# Altium PCB DM1098EMB.PcbDoc (part 3 of 3)
Units mm, origin at the board's own origin, x right, y up, seen from the top; angles counter-clockwise.
Board outline 60 x 40 mm, 4 copper layers (Top Copper, Signal Layer 1, Layer 1, Bottom Layer), stack 1.602 mm thick; 110 components, 113 nets, 514 pads, 381 vias.
Unrouted connection lines stored in the file: 3.
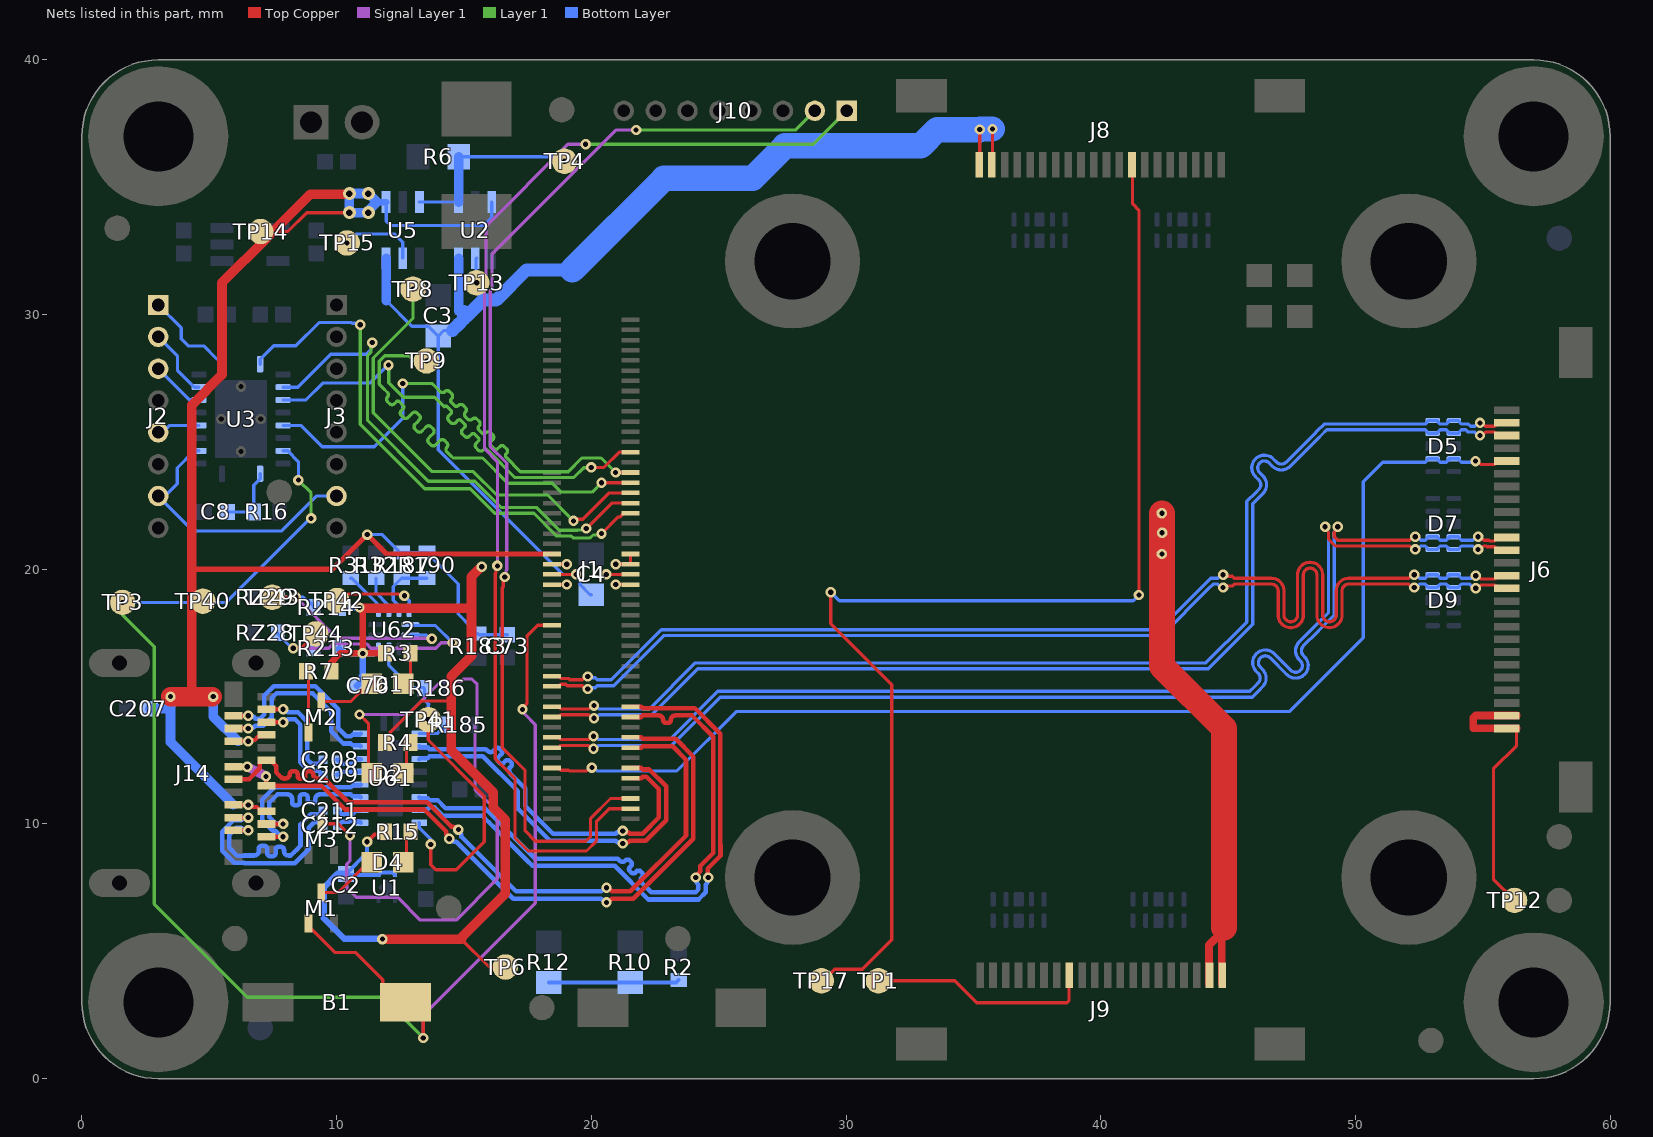
[diagram p5: the nets of this part, all layers, seen from the top]

## Via types
v1: diameter 0.406, hole 0.203, Top Copper to Bottom Layer, tented both sides, 359 vias
v2: diameter 0.508, hole 0.254, Top Copper to Bottom Layer, 18 vias
v3: diameter 0.508, hole 0.254, Top Copper to Bottom Layer, tented both sides, 4 vias

## Nets (pads, with @x,y where several pads share a name; then routed paths per layer and width w, separated by ;. In a path a pad name is that pad's centre, name@x,y a point inside that pad or via, vN(x,y) a via of type N, cw(c..) or ccw(c..) an arc to the next point about the centre after c; other vN are vias at no path point) (continued)
MIPI_D0_P: D5.4 D5.7 J1.11 J6.22 | length 46.7
  Top Copper w0.127: J1.11@18.46,12.2 18.72,12.2 18.806,12.114 19.108,12.114 19.142,12.08 19.814,12.08 19.948,12.213 v1(20.023,12.213) ; v1(54.713,24.248) 54.788,24.248 54.922,24.114 55.464,24.114 55.6,24.25 J6.22@55.95,24.25
  Bottom Layer w0.127: v1(20.023,12.213) 20.099,12.213 20.232,12.08 23.35,12.08 25.683,14.413 47.403,14.413 48.415,15.425 50.13,17.14 50.31,17.32 50.31,23.438 51.074,24.202 52.739,24.202 52.813,24.277 52.813,24.302 52.85,24.338 D5.7@53.032,24.338 53.215,24.338 53.252,24.302 53.252,24.277 53.326,24.202 53.574,24.202 53.648,24.277 53.648,24.302 53.685,24.338 D5.4@53.867,24.338 54.05,24.338 54.087,24.302 54.087,24.277 54.161,24.202 54.668,24.202 v1(54.713,24.248)
MIPI_D1_N: D7.4 D7.7 J1.15 J6.16 | length 46.8
  Top Copper w0.127: J1.15@18.46,13 18.72,13 18.806,13.086 19.879,13.086 20.013,12.952 v1(20.088,12.952) ; v1(49.305,21.673) 49.305,21.598 49.172,21.464 49.172,21.279 49.308,21.143 52.139,21.143 52.272,21.276 v1(52.348,21.276) ; v1(54.817,21.276) 54.893,21.276 55.027,21.142 55.231,21.142 55.259,21.114 55.464,21.114 55.6,21.25 J6.16@55.95,21.25
  Bottom Layer w0.127: v1(20.088,12.952) 20.164,12.952 20.297,13.086 23.167,13.086 25.06,14.979 45.946,14.979 46.22,15.253 46.345,15.378 ccw(c45.996,15.728) 46.345,16.078 46.274,16.149 cw(c46.461,16.337) 46.273,16.525 cw(c46.461,16.337) 46.649,16.524 47.304,15.87 ccw(c47.653,16.219) 48.002,15.869 ; 47.957,16.614 cw(c48.144,16.802) 47.957,16.991 48.502,17.536 ; 47.957,16.614 48.036,16.535 48.036,16.532 cw(c47.653,16.219) 48.003,15.871 ; 48.503,17.536 48.629,17.662 49.172,18.205 49.172,21.464 49.305,21.598 v1(49.305,21.673) ; v1(52.348,21.276) 52.424,21.276 52.557,21.143 52.739,21.143 52.813,21.217 52.813,21.242 52.85,21.279 D7.7@53.032,21.279 53.215,21.279 53.252,21.242 53.252,21.217 53.326,21.143 53.574,21.143 53.648,21.217 53.648,21.242 53.685,21.279 D7.4@53.867,21.279 54.05,21.279 54.087,21.242 54.087,21.217 54.161,21.143 54.329,21.143 54.608,21.143 54.742,21.276 v1(54.817,21.276)
MIPI_D1_P: D7.5 D7.6 J1.17 J6.15 | length 46.8
  Top Copper w0.127: J1.17@18.46,13.4 18.72,13.4 18.806,13.314 19.879,13.314 20.013,13.448 v1(20.088,13.448) ; v1(48.81,21.673) 48.81,21.598 48.943,21.464 48.943,21.185 49.214,20.914 52.139,20.914 52.272,20.781 v1(52.348,20.781) ; v1(54.817,20.781) 54.893,20.781 55.026,20.914 55.137,20.914 55.165,20.886 55.464,20.886 55.6,20.75 J6.15@55.95,20.75
  Bottom Layer w0.127: v1(20.088,13.448) 20.164,13.448 20.297,13.314 23.072,13.314 24.965,15.208 45.851,15.208 46.058,15.415 46.183,15.54 ; 46.111,16.686 ccw(c46.461,16.337) 46.112,15.988 46.183,15.916 cw(c45.996,15.728) 46.184,15.54 ; 46.112,16.688 cw(c46.461,16.337) 46.773,16.72 46.777,16.72 47.465,16.032 ccw(c47.653,16.219) 47.841,16.032 ccw(c47.653,16.219) 47.84,16.408 ; 47.84,16.408 47.796,16.452 cw(c48.144,16.802) 47.796,17.152 48.341,17.697 ; 48.341,17.698 48.467,17.823 48.943,18.3 48.943,21.464 48.81,21.598 v1(48.81,21.673) ; v1(52.348,20.781) 52.424,20.781 52.557,20.914 52.739,20.914 52.813,20.84 52.813,20.815 52.85,20.779 D7.6@53.032,20.779 53.215,20.779 53.252,20.815 53.252,20.84 53.326,20.914 53.574,20.914 53.648,20.84 53.648,20.815 53.685,20.779 D7.5@53.867,20.779 54.05,20.779 54.087,20.815 54.087,20.84 54.161,20.914 54.424,20.914 54.608,20.914 54.742,20.781 v1(54.817,20.781)
MIPI_D2_N: D5.2 D5.9 J1.21 J6.24 | length 46.7
  Top Copper w0.127: J1.21@18.46,14.2 18.72,14.2 18.806,14.286 19.898,14.286 v1@20.031,14.152 ; v1(54.893,25.252) 54.969,25.252 55.102,25.386 55.464,25.386 55.6,25.25 J6.24@55.95,25.25
  Bottom Layer w0.127: v1(20.106,14.151) 20.183,14.152 20.315,14.285 22.371,14.285 24.18,16.094 44.225,16.094 45.965,17.834 45.965,22.57 46.241,22.846 46.366,22.971 ccw(c46.017,23.321) 46.366,23.671 46.239,23.797 ; 46.239,23.798 cw(c46.426,23.986) 46.239,24.173 cw(c46.426,23.986) 46.615,24.173 46.741,24.046 ccw(c47.091,24.395) 47.441,24.046 48.541,25.146 ; 48.542,25.147 48.667,25.272 48.869,25.474 52.739,25.474 52.813,25.399 52.813,25.375 52.85,25.338 D5.9@53.032,25.338 53.215,25.338 53.252,25.375 53.252,25.399 53.326,25.474 53.574,25.474 53.648,25.399 53.648,25.375 53.685,25.338 D5.2@53.867,25.338 54.05,25.338 54.087,25.375 54.087,25.399 54.161,25.474 54.341,25.474 54.429,25.386 54.684,25.386 54.818,25.252 v1(54.893,25.252)
MIPI_D2_P: D5.1 D5.10 J1.23 J6.25 | length 46.8
  Top Copper w0.127: J1.23@18.46,14.6 18.72,14.6 18.806,14.514 19.898,14.514 20.031,14.648 v1(20.107,14.648) ; v1(54.893,25.748) 54.969,25.748 55.102,25.614 55.464,25.614 55.6,25.75 J6.25@55.95,25.75
  Bottom Layer w0.127: v1(20.107,14.648) 20.182,14.648 20.317,14.513 22.277,14.513 24.086,16.323 44.13,16.323 45.736,17.929 45.736,22.665 46.079,23.007 46.204,23.132 ; 46.076,24.334 ccw(c46.426,23.986) 46.077,23.636 46.204,23.509 ; 46.078,24.336 cw(c46.426,23.986) 46.739,24.368 46.742,24.368 46.903,24.208 ; 46.204,23.509 cw(c46.017,23.321) 46.205,23.133 ; 46.903,24.208 ccw(c47.091,24.395) 47.279,24.208 48.379,25.308 48.505,25.434 48.774,25.702 52.739,25.702 52.813,25.777 52.813,25.802 52.85,25.838 D5.10@53.032,25.838 53.215,25.838 53.252,25.802 53.252,25.777 53.326,25.702 53.574,25.702 53.648,25.777 53.648,25.802 53.685,25.838 D5.1@53.867,25.838 54.05,25.838 54.087,25.802 54.087,25.777 54.161,25.702 54.435,25.702 54.523,25.614 54.684,25.614 54.818,25.748 v1(54.893,25.748)
MIPI_D3_N: D9.2 D9.9 J1.27 J6.12 | length 46.8
  Top Copper w0.127: J1.27@18.46,15.4 18.72,15.4 18.806,15.486 19.001,15.486 19.055,15.431 19.649,15.431 19.783,15.297 v1(19.858,15.297) ; v1(44.804,19.287) 44.858,19.341 45.167,19.341 45.247,19.421 45.748,19.421 46.702,19.421 cw(c46.702,19.155) 46.967,19.155 46.967,18.201 ccw(c47.461,18.201) 47.461,17.707 ccw(c47.461,18.201) 47.955,18.201 47.955,19.783 cw(c48.221,19.783) 48.221,20.048 cw(c48.221,19.783) 48.486,19.783 48.486,18.201 ccw(c48.981,18.201) 48.981,17.707 ccw(c48.981,18.201) 49.475,18.201 49.475,19.155 cw(c49.74,19.155) 49.74,19.421 49.918,19.421 52.098,19.421 52.231,19.287 v1(52.307,19.287) ; v1(54.727,19.252) 54.803,19.252 54.936,19.386 55.464,19.386 55.6,19.25 J6.12@55.95,19.25
  Bottom Layer w0.127: v1(19.858,15.297) 19.912,15.351 20.151,15.351 20.231,15.431 20.881,15.431 22.848,17.398 42.393,17.398 44.248,19.253 44.248,19.258 44.411,19.421 44.595,19.421 44.729,19.287 v1(44.804,19.287) ; v1(52.307,19.287) 52.383,19.287 52.516,19.421 52.739,19.421 52.813,19.346 52.813,19.321 52.85,19.285 D9.9@53.032,19.285 ; D9.9@53.084,19.285 53.215,19.285 53.252,19.321 53.252,19.346 53.326,19.421 53.574,19.421 53.648,19.346 53.648,19.321 53.685,19.285 D9.2@53.867,19.285 54.05,19.285 54.087,19.321 54.087,19.346 54.161,19.421 54.483,19.421 54.652,19.252 v1(54.727,19.252)
MIPI_D3_P: D9.1 D9.10 J1.29 J6.13 | length 46.7
  Top Copper w0.127: J1.29@18.46,15.8 18.72,15.8 18.806,15.714 19.095,15.714 19.15,15.659 19.649,15.659 19.783,15.793 v1(19.858,15.793) ; v1(44.804,19.783) 44.858,19.729 45.167,19.729 45.247,19.649 45.748,19.649 46.702,19.649 cw(c46.702,19.155) 47.196,19.155 47.196,18.201 ccw(c47.461,18.201) 47.461,17.936 ccw(c47.461,18.201) 47.727,18.201 47.727,19.783 cw(c48.221,19.783) 48.221,20.277 cw(c48.221,19.783) 48.715,19.783 48.715,18.201 ccw(c48.981,18.201) 48.981,17.936 ccw(c48.981,18.201) 49.246,18.201 49.246,19.155 cw(c49.74,19.155) 49.74,19.649 49.918,19.649 52.098,19.649 52.231,19.783 v1(52.307,19.783) ; v1(54.727,19.748) 54.803,19.748 54.936,19.614 55.464,19.614 55.6,19.75 J6.13@55.95,19.75
  Bottom Layer w0.127: v1(19.858,15.793) 19.912,15.739 20.151,15.739 20.231,15.659 20.786,15.659 22.753,17.626 42.298,17.626 44.019,19.347 44.019,19.352 44.316,19.649 44.595,19.649 44.729,19.783 v1(44.804,19.783) ; v1(52.307,19.783) 52.383,19.783 52.516,19.649 52.739,19.649 52.813,19.724 52.813,19.748 52.85,19.785 D9.10@53.032,19.785 ; D9.10@53.084,19.785 53.215,19.785 53.252,19.748 53.252,19.724 53.326,19.649 53.574,19.649 53.648,19.724 53.648,19.748 53.685,19.785 D9.1@53.867,19.785 54.05,19.785 54.087,19.748 54.087,19.724 54.161,19.649 54.553,19.649 54.652,19.748 v1(54.727,19.748)
MODULE_nRST_1V8: B1.2 J1.39 M1.1 TP3.1 U3.8 | length 63
  Top Copper w0.127: M1.1@8.9,6.09 8.9,5.985 9.925,4.96 10.74,4.96 11.815,3.885 11.815,3.687 12.502,3 B1.2@12.7,3 12.714,3 13.4,2.313 v1(13.4,1.6) ; v1(17.3,14.5) 17.3,14.54 17.474,14.714 17.474,17.374 17.9,17.8 J1.39@18.435,17.8
  Signal Layer 1 w0.127: v1(13.4,1.6) 13.4,2.497 17.8,6.897 17.8,13.9 17.401,14.299 17.401,14.323 17.3,14.424 v1(17.3,14.5)
  Layer 1 w0.127: v1(1.6,18.7) 1.6,18.2 2.845,16.955 2.845,6.855 6.5,3.2 11.8,3.2 v1(13.4,1.6) ; v1(8.5,23.5) 9,23 v1(9,22)
  Bottom Layer w0.127: v1(1.6,18.7) 5.667,18.7 8.967,22 v1(9,22) ; U3.8@7.9,24.65 8.08,24.65 8.5,24.23 v1(8.5,23.5)
MODULE_nRST_3V3: J2.7 J3.7 U3.13 | length 10.8
  Bottom Layer w0.127: U3.13@4.6,24.65 4.42,24.65 3.746,23.976 3.746,23.362 3.388,23.004 3.129,23.004 J2.7@3,22.875 4.375,21.5 7.833,21.5 9.208,22.875 J3.7@10,22.875
NetC8_2: C8.2 R16.2 U3.10 | length 2.7
  Bottom Layer w0.127: C8.2@5.7,22.25 R16.2@6.75,22.25 6.75,23.3 7,23.55 U3.10@7,23.75
NetD1_1: D1.1 M2.3 | length 2
  Top Copper w0.127: M2.3@9.5,14.81 10.56,14.81 D1.1@11.25,15.5
NetD1_2: D1.2 R3.1 | length 1.3
  Top Copper w0.127: D1.2@12.75,15.5 12.9,15.65 R3.1@12.9,16.7
NetD2_1: D2.1 M3.3 | length 26.3
  Top Copper w0.127: M3.3@9.425,10.01 10.068,10.01 v1(10.527,9.55) ; v1(10.9,14.3) 11.25,13.95 D2.1@11.25,12
  Signal Layer 1 w0.127: v1(10.527,9.55) 10.527,8.553 10.4,8.426 10.4,7.5 10.684,7.216 10.684,7.214 10.776,7.122 12.396,7.122 13.289,6.229 14.692,6.229 16.306,7.842 16.306,10.494 15.43,11.369 15.43,13.894 15.515,13.979 15.515,15.493 15.315,15.693 14.995,15.693 14.901,15.6 14.1,15.6 12.8,14.3 v1(10.9,14.3)
NetD2_2: D2.2 R4.1 | length 1.3
  Top Copper w0.127: D2.2@12.75,12 12.75,13.05 R4.1@12.9,13.2
NetD4_1: D4.1 M1.3 | length 2.2
  Top Copper w0.127: M1.3@9.5,7.31 10.06,7.31 D4.1@11.25,8.5
NetD4_2: D4.2 R15.1 | length 1.3
  Top Copper w0.127: D4.2@12.75,8.5 12.75,9.55 R15.1@12.9,9.7
NetM2_1: M2.1 R7.1 | length 2.4
  Top Copper w0.127: M2.1@8.9,13.59 R7.1@8.9,16
NetR2_2: R2.2 R10.1 R12.1 | length 5.1
  Bottom Layer w0.152: R12.1@18.333,3.771 19.933,3.771 R10.1@21.533,3.771 22.657,3.771 23.335,3.771 R2.2@23.432,3.868
NetR6_2: R6.2 TP4.1 U2.1 U5.3 | length 7.7
  Top Copper w0.127: TP4.1@18.828,36.02 v1(18.952,36.02)
  Bottom Layer w0.127: U5.3@13.248,34.417 14.021,34.417 U2.1@14.793,34.417 ; R6.2@14.793,36.193 R6.2@14.795,36.195 18.777,36.195 v1(18.952,36.02)
  Bottom Layer w0.381: U2.1@14.793,34.417 R6.2@14.793,36.193
NetR185_1: R185.1 U61.2 | length 1.2
  Bottom Layer w0.127: U61.2@13.25,13.55 13.95,13.55 14.038,13.638 14.088,13.638 14.3,13.85 R185.1@14.3,13.9
NetR186_1: R186.1 TP41.1 U61.9 U62.11 | length 13.9
  Top Copper w0.127: v1(13.6,14.1) 13.6,13.297 15.8,11.097 15.8,9.3 14.7,8.2 13.9,8.2 13.7,8.4 v1(13.7,9.2)
  Bottom Layer w0.127: U62.11@12.05,16.875 12.05,16.237 12.926,15.361 13.414,15.361 R186.1@13.45,15.325 13.45,14.87 13.614,14.706 13.6,14.691 v1(13.6,14.1) ; U61.9@13.25,10.05 13.25,9.85 13.7,9.4 v1(13.7,9.2)
NetR213_1: R213.1 RZ28.1 TP44.1 U62.7 | length 11.7
  Top Copper w0.127: v1(8.3,16.9) 8.353,16.953 8.672,16.953 TP44.1@9.181,17.462
  Signal Layer 1 w0.127: v1(8.3,16.9) 9.692,16.9 9.86,17.068 11.177,17.068 11.341,16.904 13.894,16.904 14.109,17.12 v1(14.554,17.12)
  Bottom Layer w0.127: RZ28.1@7.7,17.5 7.7,17.45 8.25,16.9 R213.1@9.1,16.9 8.617,16.9 ; U62.7@12.9,17.825 12.935,17.79 13.884,17.79 v1(14.554,17.12)
NetR214_1: R214.1 RZ29.1 TP43.1 U62.8 | length 9.4
  Top Copper w0.127: TP43.1@7.475,18.9 v1(8.407,18.9)
  Signal Layer 1 w0.127: v1(8.407,18.9) 10.011,17.297 13.717,17.297 v1(13.741,17.272)
  Bottom Layer w0.127: RZ29.1@7.7,18.9 8.7,18.9 8.839,18.761 8.889,18.761 9.1,18.55 R214.1@9.1,18.5 ; U62.8@12.9,17.425 13.506,17.425 13.605,17.326 13.688,17.326 v1(13.741,17.272)
NetTP13_1: TP13.1 U2.5 | length 1
  Bottom Layer w0.127: v1(15.5,31.25) 15.472,31.278 15.472,32.188 U2.5@15.5,32.217
NetTP15_1: TP15.1 U5.5 | length 3.1
  Bottom Layer w0.127: v1(10.415,32.811) 10.767,33.163 12.281,33.163 12.598,32.845 U5.5@12.598,32.217
NetTP42_1: TP42.1 U62.6 | length 3.4
  Top Copper w0.127: TP42.1@10.013,18.775 10.145,18.775 10.398,19.028 12.447,19.028 12.461,19.014 12.608,19.014 v1(12.661,18.961)
  Bottom Layer w0.127: v1(12.661,18.961) 12.85,18.772 U62.6@12.85,18.375
RXB_N: J14.B10 U61.18 | length 7.3
  Top Copper w0.178: J14.B10@5.95,13.75 v1(6.534,13.75)
  Bottom Layer w0.178: v1(6.534,13.75) 6.578,13.794 6.742,13.794 6.809,13.86 7.12,13.86 7.447,14.187 7.447,14.933 7.644,15.13 9.056,15.13 9.79,14.396 9.79,13.638 10.268,13.16 10.552,13.16 10.626,13.086 10.914,13.086 U61.18@10.95,13.05
RXB_P: J14.B11 U61.19 | length 7.3
  Top Copper w0.178: J14.B11@5.95,14.25 v1(6.534,14.25)
  Bottom Layer w0.178: v1(6.534,14.25) 6.578,14.206 6.742,14.206 6.809,14.14 7.004,14.14 7.168,14.303 7.168,15.049 7.529,15.41 9.171,15.41 10.07,14.512 10.07,13.753 10.383,13.44 10.552,13.44 10.626,13.514 10.914,13.514 U61.19@10.95,13.55
RXC_N: J14.A10 U61.14 | length 6.7
  Top Copper w0.178: J14.A10@7.25,10 7.896,10 v1(7.9,10.004)
  Bottom Layer w0.178: v1(7.9,10.004) 7.883,10.021 7.608,10.021 7.366,10.263 7.366,10.846 7.681,11.16 8.074,11.16 cw(c8.074,10.983) 8.252,10.983 8.252,10.852 ccw(c8.359,10.852) 8.359,10.745 8.45,10.745 ccw(c8.45,10.852) 8.557,10.852 8.557,11.054 cw(c8.664,11.054) 8.664,11.16 8.755,11.16 cw(c8.755,11.054) 8.862,11.054 8.862,10.937 ccw(c8.968,10.937) 8.968,10.831 9.06,10.831 ccw(c9.06,10.937) 9.166,10.937 9.166,10.983 cw(c9.344,10.983) 9.344,11.16 9.872,11.16 10.552,11.16 10.626,11.086 10.914,11.086 U61.14@10.95,11.05
RXC_P: J14.A11 U61.15 | length 6.7
  Top Copper w0.178: J14.A11@7.25,9.5 7.896,9.5 v1(7.9,9.496)
  Bottom Layer w0.178: v1(7.9,9.496) 7.838,9.496 7.592,9.742 7.493,9.742 7.087,10.148 7.087,10.962 7.565,11.44 10.552,11.44 10.626,11.514 10.914,11.514 U61.15@10.95,11.55
SPI0_SCK: J1.74 U3.4 | length 18.3
  Top Copper w0.127: v1(20,24) 20.5,24 21.1,24.6 J1.74@21.54,24.6 J1.74@21.565,24.6
  Layer 1 w0.127: v1(12.04,28.016) 12.05,28.006 12.05,27.321 12.616,26.755 13.848,26.755 13.986,26.616 14.22,26.382 cw(c14.282,26.321) 14.344,26.382 14.49,26.236 cw(c14.428,26.175) 14.49,26.113 14.404,26.028 ccw(c14.499,25.933) 14.404,25.839 14.485,25.758 ccw(c14.579,25.853) 14.674,25.758 14.759,25.844 cw(c14.821,25.782) 14.882,25.844 15.028,25.697 cw(c14.967,25.636) 15.028,25.574 14.943,25.489 ccw(c15.037,25.395) 14.943,25.3 15.024,25.219 ccw(c15.118,25.314) 15.213,25.219 15.298,25.305 cw(c15.36,25.243) 15.421,25.305 15.567,25.159 cw(c15.506,25.097) 15.567,25.035 15.482,24.95 ccw(c15.576,24.856) 15.482,24.761 15.563,24.681 ccw(c15.657,24.775) 15.751,24.681 cw(c15.837,24.595) 15.922,24.681 15.971,24.631 17,23.603 19.32,23.603 19.707,23.99 19.99,23.99 v1(20,24)
  Bottom Layer w0.127: U3.4@7.9,26.65 8.8,26.65 9.46,27.31 11.301,27.31 12.007,28.016 v1(12.04,28.016)
SPI0_SCK_3V3: J2.3 U3.17 | length 2.1
  Bottom Layer w0.127: J2.3@3,27.875 4.212,26.663 4.587,26.663 U3.17@4.6,26.65
SPI0_SIO0_MOSI: J1.62 U3.1 | length 21.5
  Top Copper w0.127: v1(20.4,21.4) 21.055,22.055 21.135,22.055 21.28,22.2 J1.62@21.54,22.2
  Layer 1 w0.127: v1(10.926,29.602) 10.926,25.699 13.466,23.159 15.247,23.159 16.206,22.2 17.75,22.2 18.647,21.303 19.218,21.303 19.289,21.232 19.953,21.232 20.067,21.346 20.346,21.346 v1(20.4,21.4)
  Bottom Layer w0.127: U3.1@7,28.05 7,28.25 7.525,28.775 8.4,28.775 9.315,29.69 10.576,29.69 10.611,29.655 10.873,29.655 v1(10.926,29.602)
SPI0_SIO0_MOSI_3V3: J2.1 U3.20 | length 3.8
  Bottom Layer w0.127: J2.1@3,30.375 3.9,29.475 3.9,29.046 4.178,28.768 4.782,28.768 5.286,28.264 5.439,28.264 5.5,28.203 U3.20@5.5,28.05
SPI0_SIO1_MISO: J1.64 U3.3 | length 20.1
  Top Copper w0.127: v1(19.8,21.6) 20.8,22.6 J1.64@21.54,22.6 J1.64@21.565,22.6
  Layer 1 w0.127: v1(11.4,28.9) 11.347,28.846 11.347,28.523 11.214,28.391 11.214,25.851 13.605,23.461 15.423,23.461 16.455,22.429 17.845,22.429 18.742,21.532 19.453,21.532 19.467,21.547 19.747,21.547 v1(19.8,21.6)
  Bottom Layer w0.127: U3.3@7.9,27.15 8.476,27.15 9.766,28.44 11.173,28.44 11.347,28.614 11.347,28.846 v1(11.4,28.9)
SPI0_SIO1_MISO_3V3: J2.2 U3.18 | length 2.7
  Bottom Layer w0.127: J2.2@3,29.125 3.75,28.375 3.75,27.82 4.42,27.15 U3.18@4.6,27.15
SPI0_SIO2: J1.66 TP8.1 | length 17.8
  Top Copper w0.127: v1(19.3,21.9) 19.368,21.968 19.668,21.968 20.7,23 J1.66@21.54,23 J1.66@21.565,23
  Layer 1 w0.127: v1(13,31) 13,29.853 11.443,28.296 11.443,26.146 13.755,23.834 15.372,23.834 16.289,22.917 18.283,22.917 v1(19.3,21.9)
SPI0_SIO3: J1.68 TP9.1 | length 17.5
  Top Copper w0.127: v1(20.4,23.4) J1.68@21.54,23.4 J1.68@21.565,23.4
  Layer 1 w0.127: v1(13.53,28.179) 13.032,28.179 12.827,28.384 11.887,28.384 11.671,28.169 11.671,27.27 11.682,27.26 11.816,27.125 12,26.941 cw(c11.915,26.856) 12,26.77 ccw(c12.095,26.676) 12,26.582 12.081,26.501 ccw(c12.176,26.595) 12.27,26.501 12.355,26.586 cw(c12.408,26.533) 12.461,26.586 12.625,26.423 cw(c12.571,26.37) 12.625,26.317 12.539,26.231 ccw(c12.634,26.137) 12.539,26.043 12.62,25.962 ccw(c12.714,26.056) 12.809,25.962 12.894,26.047 12.979,26.133 cw(c13.074,26.038) 13.168,26.133 13.249,26.052 cw(c13.154,25.958) 13.249,25.863 13.163,25.778 13.078,25.693 ccw(c13.172,25.598) 13.078,25.504 13.159,25.423 ccw(c13.253,25.518) 13.347,25.423 13.433,25.509 13.518,25.594 cw(c13.612,25.5) 13.707,25.594 13.788,25.513 cw(c13.693,25.419) 13.788,25.324 13.702,25.239 13.617,25.154 ccw(c13.711,25.06) 13.617,24.965 13.698,24.884 ccw(c13.792,24.979) 13.886,24.884 13.972,24.97 14.057,25.055 cw(c14.151,24.961) 14.246,25.055 14.326,24.974 cw(c14.232,24.88) 14.326,24.786 ccw(c14.412,24.7) 14.326,24.615 14.51,24.431 14.572,24.37 14.762,24.37 15.001,24.37 15.73,24.37 16.726,23.374 18.472,23.374 18.815,23.032 20.032,23.032 v1(20.4,23.4)
SPI0_SS_0: J1.70 U3.6 | length 19.4
  Top Copper w0.127: v1(20.954,23.8) J1.70@21.54,23.8 J1.70@21.565,23.8
  Layer 1 w0.127: v1(12.6,27.291) 13.179,27.291 13.369,27.291 13.75,27.291 13.758,27.291 13.892,27.157 14.076,26.973 ccw(c14.162,27.058) 14.247,26.973 cw(c14.341,26.878) 14.436,26.973 14.517,26.892 cw(c14.422,26.798) 14.517,26.703 ccw(c14.602,26.618) 14.517,26.533 14.615,26.434 ccw(c14.701,26.519) 14.786,26.434 cw(c14.88,26.34) 14.975,26.434 15.055,26.353 cw(c14.961,26.259) 15.055,26.164 ccw(c15.141,26.079) 15.055,25.994 15.154,25.895 ccw(c15.239,25.98) 15.325,25.895 cw(c15.419,25.801) 15.513,25.895 15.594,25.814 cw(c15.5,25.72) 15.594,25.626 ccw(c15.679,25.54) 15.594,25.455 15.693,25.356 ccw(c15.778,25.442) 15.864,25.356 cw(c15.958,25.262) 16.052,25.356 16.133,25.275 cw(c16.039,25.181) 16.133,25.087 16.048,25.002 ccw(c16.109,24.94) 16.048,24.878 16.194,24.732 ccw(c16.255,24.794) 16.317,24.732 16.402,24.817 cw(c16.497,24.723) 16.591,24.817 16.672,24.737 cw(c16.577,24.642) 16.672,24.548 16.656,24.533 ccw(c16.726,24.463) 16.656,24.393 17.217,23.832 19.095,23.832 19.631,24.368 20.386,24.368 v1(20.954,23.8)
  Bottom Layer w0.127: U3.6@7.9,25.65 8.589,25.65 9.43,24.81 11.484,24.81 12.6,25.926 v1(12.6,27.291)
SPI0_SS_0_3V3: J2.5 U3.15 | length 1.7
  Bottom Layer w0.127: J2.5@3,25.375 3.182,25.375 3.457,25.65 U3.15@4.6,25.65
STRB2: J9.8 TP1.1 | length 8.6
  Top Copper w0.127: TP1.1@31.275,3.843 34.273,3.843 35.131,2.985 38.676,2.985 38.75,3.06 J9.8@38.75,3.75
STROBE1: J8.8 TP17.1 | length 47.8
  Top Copper w0.127: TP17.1@29.035,3.843 29.098,3.843 29.555,4.3 30.64,4.3 31.8,5.46 31.8,15.469 29.4,17.869 v1(29.4,19.1) ; J8.8@41.25,36.25 41.25,35.75 41.25,34.35 41.5,34.1 v1(41.5,18.989)
  Bottom Layer w0.127: v1(29.4,19.1) 29.74,18.76 41.271,18.76 v1(41.5,18.989)
TXB1_N: C209.2 U61.16 | length 1
  Bottom Layer w0.178: C209.2@10.03,11.925 10.05,11.925 10.175,12.05 U61.16@10.95,12.05
TXB1_P: C208.2 U61.17 | length 1.1
  Bottom Layer w0.178: C208.2@10.03,12.525 10.05,12.525 10.21,12.365 10.634,12.365 10.739,12.47 10.739,12.514 10.775,12.55 U61.17@10.95,12.55
TXB_N: C209.1 J14.A3 | length 4
  Top Copper w0.178: J14.A3@7.25,14 7.252,13.998 7.898,13.998 v1(7.9,13.996)
  Bottom Layer w0.178: v1(7.9,13.996) 7.962,13.996 8.076,14.11 8.37,14.11 8.575,13.905 8.575,12.418 8.908,12.085 9.29,12.085 9.45,11.925 C209.1@9.47,11.925
TXB_P: C208.1 J14.A2 | length 4
  Top Copper w0.178: J14.A2@7.25,14.5 7.252,14.502 7.898,14.502 v1(7.9,14.504)
  Bottom Layer w0.178: v1(7.9,14.504) 7.962,14.504 8.076,14.39 8.486,14.39 8.854,14.021 8.854,12.534 9.023,12.365 9.29,12.365 9.45,12.525 C208.1@9.47,12.525
TXC1_N: C212.2 U61.12 | length 1
  Bottom Layer w0.178: C212.2@10.03,9.925 10.05,9.925 10.222,10.097 10.488,10.097 10.499,10.107 10.646,10.107 10.667,10.086 10.914,10.086 U61.12@10.95,10.05
TXC1_P: C211.2 U61.13 | length 1.1
  Bottom Layer w0.178: C211.2@10.03,10.525 10.05,10.525 10.199,10.376 10.373,10.376 10.383,10.386 10.611,10.386 10.775,10.55 U61.13@10.95,10.55
TXC_N: C212.1 J14.B3 | length 8
  Top Copper w0.178: J14.B3@5.95,10.25 v1(6.534,10.25)
  Bottom Layer w0.178: v1(6.534,10.25) 6.49,10.206 6.326,10.206 6.259,10.14 5.949,10.14 5.505,9.696 5.505,8.946 5.978,8.473 6.374,8.473 6.385,8.462 8.364,8.462 8.91,9.008 8.91,9.846 9.126,10.062 9.313,10.062 9.45,9.925 C212.1@9.47,9.925
TXC_P: C211.1 J14.B2 | length 8.1
  Top Copper w0.178: J14.B2@5.95,9.75 v1(6.534,9.75)
  Bottom Layer w0.178: v1(6.534,9.75) 6.49,9.794 6.326,9.794 6.259,9.86 6.064,9.86 5.784,9.58 5.784,9.061 6.093,8.752 6.374,8.752 6.385,8.763 6.388,8.763 6.768,8.763 ccw(c6.768,8.941) 6.946,8.941 6.946,9.025 cw(c7.061,9.025) 7.061,9.141 7.16,9.141 cw(c7.16,9.025) 7.276,9.025 7.276,8.857 ccw(c7.391,8.857) 7.391,8.741 7.49,8.741 ccw(c7.49,8.857) 7.606,8.857 7.606,8.987 cw(c7.722,8.987) 7.722,9.102 7.821,9.102 cw(c7.821,8.987) 7.936,8.987 7.936,8.941 ccw(c8.114,8.941) 8.114,8.763 8.204,8.763 8.33,8.888 8.413,8.972 8.584,9.143 8.584,9.981 8.991,10.388 9.313,10.388 9.45,10.525 C211.1@9.47,10.525
UART2_SIN: J1.6 J10.2 | length 43.5
  Top Copper w0.127: v1(16.6,19.7) 16.547,19.647 16.547,19.319 16.508,19.281 16.508,12.992 17.4,12.1 17.4,9.727 17.805,9.322 19.785,9.322 19.971,9.509 19.971,10.218 20.754,11 J1.6@21.54,11
  Signal Layer 1 w0.127: v1(16.6,19.7) 16.653,19.753 16.653,19.951 16.683,19.98 16.683,24.174 16.038,24.819 16.038,30.943 16.097,31.003 16.097,32.36 20.985,37.249 v1(21.759,37.249)
  Layer 1 w0.127: v1(21.759,37.249) 28.028,37.249 J10.2@28.579,37.799
UART2_SOUT: J1.4 J10.1 | length 46.5
  Top Copper w0.127: v1(16.315,20.133) 16.261,20.079 16.261,19.882 16.232,19.853 16.232,12.568 17,11.8 17,9.467 17.526,8.941 19.812,8.941 20.2,9.329 20.2,10.091 20.709,10.6 J1.4@21.54,10.6
  Signal Layer 1 w0.127: v1(16.315,20.133) 16.315,24.219 15.809,24.725 15.809,31.038 15.868,31.097 15.868,33.472 19.084,36.688 v1(19.778,36.688)
  Layer 1 w0.127: v1(19.778,36.688) 28.718,36.688 J10.1@30.028,37.998
USB_CM: R31.1 U62.3 | length 1.8
  Bottom Layer w0.127: R31.1@10.55,19.65 10.6,19.65 11.614,18.636 11.614,18.411 U62.3@11.65,18.375
USB_D_N: J1.18 J14.A7 J14.B7 | length 27.5
  Top Copper w0.178: J14.B7@5.95,12.25 v1(6.495,12.25) ; v1(7.23,11.87) 7.23,11.52 J14.A7@7.25,11.5 ; J14.A7@7.291,11.5 9.407,11.5 10.337,10.569 13.439,10.569 14.313,9.695 14.313,9.599 14.427,9.485 v1(14.427,9.423) ; v1(20.6,6.923) 20.662,6.923 20.806,7.066 21.653,7.066 24.008,9.422 24.008,12.648 23.312,13.345 22.012,13.345 21.958,13.399 21.566,13.399 J1.18@21.565,13.4
  Signal Layer 1 w0.381: v1(6.495,12.25) v1(7.23,11.87)
  Bottom Layer w0.178: v1(14.427,9.423) 14.489,9.423 14.603,9.309 14.699,9.309 16.937,7.072 20.389,7.072 20.538,6.923 v1(20.6,6.923)
USB_D_P: J1.16 J14.A6 J14.B6 | length 27.7
  Top Copper w0.178: J14.B6@5.95,11.75 5.965,11.765 6.567,11.765 6.989,12.187 6.989,12.439 7.05,12.5 7.45,12.5 7.511,12.439 7.511,12.392 7.623,12.28 7.623,12.033 7.721,11.936 7.81,11.847 7.818,11.839 ccw(c7.947,11.968) 7.947,11.786 7.983,11.786 ccw(c7.983,11.968) 8.165,11.96 cw(c8.272,11.96) 8.272,12.067 8.363,12.067 cw(c8.363,11.96) 8.47,11.96 8.47,11.886 ccw(c8.577,11.886) 8.577,11.779 8.668,11.779 ccw(c8.668,11.886) 8.775,11.886 8.775,11.96 cw(c8.882,11.96) 8.882,12.067 8.973,12.067 cw(c8.973,11.96) 9.08,11.96 ccw(c9.262,11.968) 9.262,11.786 9.44,11.786 cw(c9.441,11.603) 9.57,11.732 9.677,11.625 10.453,10.849 13.555,10.849 14.51,9.893 14.607,9.893 14.721,9.779 v1(14.783,9.779) ; v1(20.6,7.5) 20.662,7.5 20.806,7.356 21.533,7.356 23.718,9.542 23.718,12.528 23.192,13.055 22.012,13.055 21.958,13.001 J1.16@21.541,13.001 ; J1.16@21.54,13 J1.16@21.541,13.001
  Bottom Layer w0.178: v1(14.783,9.779) 14.783,9.717 14.897,9.603 14.897,9.507 17.053,7.351 20.389,7.351 20.538,7.5 v1(20.6,7.5)
USB_PORT: R32.1 U62.4 | length 1.5
  Bottom Layer w0.127: R32.1@11.55,19.65 11.55,19.071 12.014,18.607 12.014,18.411 U62.4@12.05,18.375
USB_RX_N: J1.12 U61.4 | length 14.9
  Top Copper w0.178: v1(21.234,9.233) 21.278,9.277 21.447,9.277 21.512,9.341 22.134,9.341 22.936,10.143 22.936,11.484 22.28,12.14 22.017,12.14 21.958,12.199 21.566,12.199 J1.12@21.565,12.2
  Bottom Layer w0.178: U61.4@13.25,12.55 13.286,12.586 13.574,12.586 13.648,12.66 15.745,12.66 17.121,11.284 17.121,10.602 18.382,9.341 20.957,9.341 21.021,9.277 21.191,9.277 v1(21.234,9.233)
USB_RX_P: J1.10 U61.3 | length 15
  Top Copper w0.178: v1(21.234,9.728) 21.278,9.684 21.447,9.684 21.512,9.62 22.018,9.62 22.657,10.259 22.657,11.368 22.165,11.86 22.017,11.86 21.958,11.801 21.566,11.801 J1.10@21.565,11.8
  Bottom Layer w0.178: U61.3@13.25,13.05 13.286,13.014 13.574,13.014 13.648,12.94 15.86,12.94 15.923,12.877 ccw(c16.049,13.003) 16.175,12.877 16.255,12.957 cw(c16.33,12.882) 16.406,12.957 16.47,12.892 cw(c16.395,12.817) 16.47,12.741 16.34,12.611 ccw(c16.415,12.536) 16.34,12.46 16.404,12.396 ccw(c16.48,12.471) 16.555,12.396 16.637,12.477 cw(c16.712,12.402) 16.788,12.477 16.853,12.413 cw(c16.777,12.337) 16.853,12.262 16.821,12.23 ccw(c16.947,12.105) 16.821,11.979 17.4,11.4 17.4,11.152 17.4,10.718 18.498,9.62 20.957,9.62 21.021,9.684 21.191,9.684 v1(21.234,9.728)
USB_TX_N: J1.24 U61.8 | length 23.4
  Top Copper w0.178: v1(24.595,7.9) 24.564,7.931 24.564,8.24 25.07,8.746 25.073,8.749 25.073,9.156 25.07,9.159 25.07,13.539 24.069,14.54 22.017,14.54 21.958,14.599 J1.24@21.541,14.599 ; J1.24@21.54,14.6 J1.24@21.541,14.599
  Bottom Layer w0.178: U61.8@13.25,10.55 13.286,10.586 13.574,10.586 13.648,10.66 13.847,10.66 14.177,10.331 15.715,10.331 15.985,10.061 16.16,9.886 17.491,8.555 17.69,8.357 20.917,8.357 22.238,7.036 24.209,7.036 24.487,7.314 24.487,7.623 24.552,7.687 24.552,7.856 v1(24.595,7.9)
USB_TX_P: J1.22 U61.7 | length 23.5
  Top Copper w0.178: J1.22@21.54,14.2 21.541,14.201 21.958,14.201 22.017,14.26 22.25,14.26 22.644,14.26 cw(c22.644,14.083) 22.822,14.083 22.822,14.08 ccw(c22.928,14.08) 22.928,13.973 23.02,13.973 ccw(c23.02,14.08) 23.126,14.08 23.126,14.083 cw(c23.304,14.083) 23.304,14.26 23.809,14.26 23.954,14.26 24.79,13.424 24.79,9.044 24.794,9.04 24.794,8.865 24.79,8.861 24.285,8.356 24.285,8.147 24.1,7.962 v1(24.1,7.9)
  Bottom Layer w0.178: U61.7@13.25,11.05 13.286,11.014 13.574,11.014 13.648,10.94 13.963,10.94 14.292,10.611 15.831,10.611 17.805,8.636 21.033,8.636 21.095,8.573 ccw(c21.221,8.699) 21.347,8.573 cw(c21.422,8.498) 21.498,8.573 21.562,8.508 cw(c21.487,8.433) 21.562,8.358 21.512,8.307 ccw(c21.588,8.232) 21.512,8.156 21.577,8.092 ccw(c21.652,8.167) 21.728,8.092 21.778,8.142 cw(c21.853,8.067) 21.929,8.142 21.994,8.077 cw(c21.918,8.002) 21.994,7.927 ccw(c22.119,7.801) 21.994,7.675 22.291,7.378 22.353,7.315 24.093,7.315 24.208,7.43 24.208,7.623 24.144,7.687 24.144,7.856 v1(24.1,7.9)
VBUS: C73.2 C207.2 J1.53 J14.A4 J14.A9 J14.B4 J14.B9 R183.2 R187.1 R190.1 TP14.1 TP40.1 U2.3 U5.1 | length 72.8
  Top Copper w0.127: TP14.1@7.511,33.261 8.09,33.261 8.829,34 v3(10.5,34)
  Top Copper w0.152: J14.B4@5.948,10.752 J14.B4@5.95,10.75 v1(6.534,10.75) 6.603,10.75 6.685,10.668 6.887,10.668 6.976,10.579 6.976,10.574 7.05,10.5 J14.A9@7.25,10.5 J14.A9@7.176,10.574
  Top Copper w0.158: J14.B9@5.95,13.25 v1(6.534,13.25) 6.582,13.298 6.792,13.298 6.924,13.429 7.179,13.429 J14.A4@7.25,13.5
  Top Copper w0.203: 4.318,20 9.84,20 v1(11.201,21.361) 11.963,20.6 J1.53@18.46,20.6
  Top Copper w0.381: 4.318,15.047 4.318,20 4.318,26.458 5.5,27.64 5.5,31.25 TP14.1@7.265,33.015 ; TP14.1@7.018,33.261 TP14.1@7.265,33.015 ; v3(10.5,34.75) 10.476,34.726 8.976,34.726 7.511,33.261 TP14.1@7.265,33.015
  Top Copper w0.762: v1(3.48,15) v1@5.117,15
  Bottom Layer w0.127: 5.948,10.752 5.95,10.75 v1(6.534,10.75) ; 6.13,13.25 v1(6.534,13.25) ; v1(11.201,21.361) 11.789,21.361 12.5,20.65 R187.1@12.55,20.65 R190.1@13.55,20.65 13.6,20.65 13.812,20.438 13.812,20.388 14.779,19.421 14.779,18.244 15.291,17.732 15.291,17.682 15.502,17.471 R183.2@15.552,17.471 15.589,17.434 C73.2@16.701,17.434 ; v3(11.25,34) v3@11.25,34.084 ; U5.1@11.948,34.417 11.948,33.67 12.118,33.5 15.783,33.5 16.093,33.81 U2.3@16.093,34.417
  Bottom Layer w0.254: 11.583,34.417 U5.1@11.948,34.417
  Bottom Layer w0.381: C207.2@2.67,14.521 3.48,14.521 ; v1(3.48,15) 3.48,14.521 ; v1(5.156,15) 5.156,14.224 6.13,13.25 ; 5.948,10.752 3.48,13.22 3.48,14.521 ; v3(11.25,34) v3(10.5,34) v3(10.5,34.75) v3(11.25,34.75) 11.583,34.417 v3@11.25,34.084
VBUS_DET: R187.2 R190.2 U62.5 | length 2.5
  Bottom Layer w0.127: U62.5@12.45,18.375 12.433,18.392 12.433,18.57 12.225,18.778 12.225,19.325 R187.2@12.55,19.65 R190.2@13.55,19.65
VDD_5V: C2.2 C3.2 C4.2 C76.2 J1.47 J1.48 J1.49 J1.50 J1.51 J1.52 J1.54 J6.1 J6.2 J8.19 J8.20 J9.19 J9.20 R3.2 R4.2 R7.2 R15.2 R213.2 R214.2 TP6.1 TP12.1 U1.3 U1.4 U2.6 U5.6 U62.12 | length 133.4
  Top Copper w0.127: R4.2@11.9,13.2 12.108,13.408 12.108,13.608 13.325,14.825 14.5,14.825 ; 14.883,5.5 15.998,4.385 TP6.1@16.626,4.385 ; J1.47@18.435,19.4 J1.47@18.46,19.4 v1(19.038,19.4) ; J1.49@18.435,19.8 J1.49@18.46,19.8 v1(19.413,19.8) ; J1.51@18.435,20.2 J1.51@18.46,20.2 v1(19.038,20.2) ; v1(20.587,19.8) J1.50@21.54,19.8 J1.50@21.565,19.8 ; v1(20.962,19.4) J1.48@21.54,19.4 J1.48@21.565,19.4 ; v1(20.962,20.2) J1.52@21.54,20.2 ; J1.54@21.54,20.6 J1.52@21.54,20.2 ; J1.52@21.565,20.2 J1.52@21.54,20.2 ; J8.20@35.25,36.25 v1(35.25,37.264) ; J8.19@35.75,36.25 v1(35.75,37.285) ; TP12.1@56.25,7 55.416,7.834 55.416,12.166 56.328,13.078 J6.1@56.328,13.759
  Top Copper w0.152: v1(11.2,9.3) 11.486,9.586 11.786,9.586 R15.2@11.9,9.7
  Top Copper w0.254: R7.2@9.8,16 9.8,16.351 10.149,16.7 v1(11.024,16.7) ; v1(10.9,18.5) 10.9,18.459 11.024,18.334 v1(11.024,16.7) ; R3.2@11.9,16.7 v1(11.024,16.7)
  Top Copper w0.305: J9.19@44.25,3.75 44.25,5.25 44.75,5.75 ; J9.20@44.75,3.75 44.75,5.75 ; 44.841,5.941 44.75,5.85 44.75,5.75 ; 44.891,5.891 44.75,5.75 ; J6.1@56.328,13.759 55.728,13.759 54.628,13.759 54.628,14.159 54.728,14.259 55.728,14.259 J6.2@56.328,14.259
  Top Copper w0.381: v1(10.9,18.5) 10.907,18.5 10.941,18.466 15.222,18.466 15.3,18.544 ; v1(11.8,5.481) 11.801,5.48 14.903,5.48 ; 14.859,5.5 16.626,7.267 16.626,10.163 16.156,10.633 16.156,11.244 14.5,12.9 14.5,14.825 14.5,15.8 15.3,16.6 15.3,18.544 ; v1(15.7,20.1) 15.693,20.1 15.68,20.087 15.675,20.087 15.3,19.712 15.3,18.544
  Top Copper w1.016: v1(42.4,22.2) v1(42.4,20.6) 42.4,16.2 44.841,13.759 44.841,5.941
  Bottom Layer w0.127: U62.12@11.623,16.752 11.65,16.779 U62.12@11.65,16.875 ; 11.948,30.552 12.959,29.541 13.604,29.541 C3.2@13.991,29.154 ; 14.793,30.129 14.793,29.828 14.793,29.621 14.793,29.543 14.624,29.374 14.545,29.374 14.21,29.374 C3.2@13.991,29.154 ; C4.2@20,19 19.95,19 19.563,19.387 19.563,19.574 19.413,19.724 v1(19.413,19.8) 18.881,19.8 13.995,24.686 13.995,29.15 C3.2@13.991,29.154
  Bottom Layer w0.152: C2.2@10.37,8.04 11.2,8.87 v1(11.2,9.3) ; C2.2@10.41,8 U1.3@11.64,8 11.74,8.1 12.2,8.1 U1.4@12.3,8
  Bottom Layer w0.254: R213.2@10.1,16.9 10.1,16.85 10.248,16.702 10.298,16.702 10.3,16.7 v1(11.024,16.7) ; R214.2@10.1,18.5 v1(10.9,18.5) ; C2.2@10.41,8 C2.2@10.37,8.04 10.04,8.04 9.5,7.5 9.5,6.3 10.3,5.5 11.781,5.5 v1(11.8,5.481) ; C76.2@10.8,15.425 10.983,15.608 10.983,15.8 11.024,15.841 v1(11.024,16.7) ; U62.12@11.623,16.752 11.527,16.752 11.475,16.7 v1(11.024,16.7)
  Bottom Layer w0.381: 11.948,30.552 U5.6@11.948,32.217 ; 14.793,30.129 14.796,30.132 14.796,32.214 U2.6@14.793,32.217
  Bottom Layer w0.508: 14.545,29.374 14.793,29.621 15,29.828 ; 15,30.129 15,29.828 ; 19.25,31.75 17.449,31.75 16.264,30.565 15.736,30.565 15.151,29.979 15,29.828
  Bottom Layer w1: 19.25,31.75 22.848,35.348 26.33,35.348 27.603,36.621 32.935,36.621 33.578,37.264 v1(35.25,37.264) 35.271,37.285 v1(35.75,37.285)
  other v1: 42.413,21.438
pads on no net: FID1.1 FID2.1 FID3.1 FID4.1 FID5.1 FID6.1 J14.A8 J14.B8 U3.9 U3.12 U4.4 U61.1 U61.10 U62.9

## Polygon pours and split planes (outlines as drawn)
GND on Top Copper "GND_L01_P071" (solid, remove dead copper, pour order 71): -0.008,-0.048 -0.008,39.952 59.992,39.952 59.992,-0.048
VBUS on Top Copper "VBUS" (solid, remove dead copper, pour order 59): 3.48,16.332 3.48,20.48 4,21 4,26.598 4.911,27.509 4.911,32.811 7.35,35.25 11.25,35.25 11.609,34.891 11.609,33.859 7.9,30.15 7.9,24.56 7.439,24.099 7.439,20.689 6.25,19.5 6.25,17.426 5.156,16.332
5V_IN on Top Copper "NONET_L-01_P-001" (solid, pour order 58): 10.259,38.419 11.568,39.728 16.917,39.728 17.912,38.734 17.912,36.487 17.087,35.662 11.117,35.662 10.27,36.509
VDD_5V on Top Copper "VDD_5V_L01_P070" (solid, remove dead copper, pour order 70): 41.6,23 41.6,9.7 44.1,7.2 44.1,5 47.619,5 55.228,12.609 55.228,14.409 45.891,14.409 43.2,17.1 43.2,23
VDD_5V on Bottom Layer "VDD_5V_L04_P067" (solid, remove dead copper, pour order 67): 11.773,29.477 13,28.25 13,21.8 13.923,20.877 16.497,18.303 41.658,18.303 43.105,19.75 43.105,23.062 42.767,23.4 40.1,23.4 39.046,22.346 18.564,22.346 15.918,24.992 15.918,31.419 11.773,31.419
GND on Bottom Layer "GND_L04_P069" (solid, remove dead copper, pour order 69): -0.008,-0.048 -0.008,39.952 59.992,39.952 59.992,-0.048
GND on Bottom Layer "GND_L04_P064" (solid, remove dead copper, pour order 64): 19.5,20.15 18.777,20.873 18.777,21.189 19.275,21.687 21.081,21.687 21.3,21.468 21.3,20.6 20.85,20.15 19.5,20.15
GND on Signal Layer 1 "GND_L02_P060" (solid, remove dead copper, pour order 60): 0,0 0,40 60,40 60,0
GND on Layer 1 "GND_L03_P061" (solid, remove dead copper, pour order 61): 0,0 0,40 60,40 60,0

## Keep-outs
Top Copper:
  lines w0.254: 49.599,6.856 cw(c52.1,7.9) 53.125,10.408

## Silkscreen, mask and mechanical layers (free items; w line width, h text height)
Top Overlay:
  drawing of 7 lines, arcs and shapes, not listed
  text "-" at 6,38.904 h2
  text "+" at 13.398,38.736 h2
  text "CAM_L" at 53.136,37.764 h1.5 r180
  text "BOT" at 36.711,35 h1 r180
  text "5V_IN" at 19.186,34.686 h1 r315
  text "AUX_IO" at 21.268,34.258 h1.5
  text "5V_IN2" at 17.79,34.034 h1 r315
  text "5V" at 7.864,32.813 h2
  text "VBUS" at 3.799,32.52 h1
  text "SPI0_3V3" at 0.356,31.928 h1.5 r270
  text "RGB" at 57.067,29.608 h1.5 r90
  text "BOT" at 55.772,26.989 h1 r90
  text "GPIO_3V3" at 12.408,26.533 h1.5 r270
  text "1V8" at 6.469,21.32 h1
  text "VBUS" at 5.207,19.712 h1 r270
  text "RSTn" at 2.335,19.606 h1 r270
  text "5V" at 10.5,13.4 h1.5
  text "PG" at 10.5,9.9 h1.5
  text "IO1" at 59.697,8.901 h1 r90
  text "5V" at 56.861,7.895 h1 r90
  text "RUN" at 10.5,6.4 h1.5
  text "IO2" at 59.659,6.211 h1 r90
  text "3V3" at 13.517,5.045 h1
  text "5V" at 16.203,4.838 h1
  text ".project_title  / .revision" at 33.811,4.611 h2
  text "BOT" at 45.005,4.312 h1
  text "STRB1" at 27.393,4.191 h1
  text "STRB2" at 30.754,4.191 h1
  text "CAM_R" at 48.015,2.567 h1.5
  text "RST" at 13.79,0.789 h1.5
  text "BOOT" at 27.182,0.789 h1.5
Bottom Overlay:
  drawing of 7 lines, arcs and shapes, not listed
  text "-" at 8.3,38.5 h2
  text "+" at 11,38.342 h2
  text "MX_WK" at 23.302,30.385 h1 r270
  text "MX_PG" at 24.546,30.385 h1 r270
  text "SDA" at 25.791,30.385 h1 r270
  text "SCL" at 27.036,30.385 h1 r270
  text "MX_RX" at 28.28,30.385 h1 r270
  text "MX_TX" at 29.525,30.385 h1 r270
  text "GND" at 20.838,30.359 h1 r270
  text "MX_GPIO_53" at 22.073,30.353 h1 r270
  text ".project_title  / .revision" at 40,14 h2 r270
  text "SHUTTER SYNC" at 22.7,9 h1
  text "FSIN2" at 17.856,5.512 h1 r270
  text "FSIN1" at 21.057,5.359 h1 r270
Board:
  the board outline again, w0.1
Fab Notes:
  drawing of 196 lines, arcs and shapes, not listed
  text "Layer" at 79.469,72.388 h1.52
  text "Name" at 85.844,72.388 h1.52
  text "Material" at 98.167,72.388 h1.52
  text "Thickness" at 109.242,72.388 h1.52
  text "Constant" at 118.339,72.388 h1.52
  text "Board Layer Stack" at 126.76,72.388 h1.52
  text "Top Overlay" at 85.844,69.34 h1.52
  text "Top Mask" at 85.844,66.292 h1.52
  text "Solder Resist" at 98.167,66.292 h1.52
  text "0,71mil" at 109.242,66.292 h1.52
  text "4.2" at 118.339,66.292 h1.52
  text "1" at 79.469,63.244 h1.52
  text "Top Copper" at 85.844,63.244 h1.52
  text "1,40mil" at 109.242,63.244 h1.52
  text "Dielectric 1" at 85.844,60.196 h1.52
  text "PP-021" at 98.167,60.196 h1.52
  text "7,09mil" at 109.242,60.196 h1.52
  text "4.2" at 118.339,60.196 h1.52
  text "2" at 79.468,57.148 h1.52
  text "Signal Layer 1" at 85.844,57.148 h1.52
  text "1,40mil" at 109.242,57.148 h1.52
  text "Core" at 85.844,54.1 h1.52
  text "Core-042" at 98.167,54.1 h1.52
  text "43,31mil" at 109.242,54.1 h1.52
  text "4.2" at 118.339,54.1 h1.52
  text "3" at 79.469,51.052 h1.52
  text "Layer 1" at 85.844,51.052 h1.52
  text "1,40mil" at 109.242,51.052 h1.52
  text "Dielectric 2" at 85.844,48.004 h1.52
  text "PP-021" at 98.167,48.004 h1.52
  text "7,09mil" at 109.242,48.004 h1.52
  text "4.2" at 118.339,48.004 h1.52
  text "4" at 79.469,44.956 h1.52
  text "Bottom Layer" at 85.844,44.956 h1.52
  text "1,40mil" at 109.242,44.956 h1.52
  text "Bottom Solder" at 85.844,41.908 h1.52
  text "Solder Resist" at 98.167,41.908 h1.52
  text "0,71mil" at 109.242,41.908 h1.52
  text "4.2" at 118.339,41.908 h1.52
  text "Bottom Overlay" at 85.844,38.86 h1.52
  text "Total board thickness:" at 79.469,35.812 h1.52
  text "64,50mil" at 109.242,35.812 h1.52
Dimensions:
  text "ALL UNITS IN MM" at 21.387,45.487 h2
Drill Drawing:
  circle w0.254: c78.618,25.506 r0.701
  lines w0.254: 76.646,4.934 126.214,4.934 ; 76.646,27.013 126.214,27.013 ; 84.754,1.78 84.754,30.167 ; 92.212,1.78 92.212,30.167 ; 106.884,1.78 106.884,30.167 ; 76.646,1.78 126.214,1.78 126.214,30.167 76.646,30.167 76.646,1.78 ; 77.917,6.231 78.267,6.231 78.267,5.88 78.968,5.88 78.968,6.231 79.318,6.231 79.318,6.932 78.968,6.932 78.968,7.282 78.267,7.282 78.267,6.932 77.917,6.932 77.917,6.231 ; 77.917,9.034 79.318,9.034 79.318,10.436 77.917,10.436 77.917,9.034 ; 77.917,12.188 77.917,12.539 78.267,12.889 77.917,13.24 77.917,13.59 78.267,13.59 78.618,13.24 78.968,13.59 79.318,13.59 79.318,13.24 78.968,12.889 79.318,12.539 79.318,12.188 78.968,12.188 78.618,12.539 78.267,12.188 77.917,12.188 ; 77.917,15.342 78.618,15.693 79.318,15.342 78.968,16.043 79.318,16.744 78.618,16.394 77.917,16.744 78.267,16.043 77.917,15.342 ; 77.917,18.847 78.267,18.847 78.618,18.497 78.968,18.847 79.318,18.847 78.968,19.197 79.318,19.548 78.968,19.548 78.618,19.898 78.267,19.548 77.917,19.548 78.267,19.197 77.917,18.847 ; 77.917,23.052 79.318,23.052 78.618,21.651 77.917,23.052
  text "Symbol" at 78.538,27.959 h1.83
  text "Count" at 85.7,27.959 h1.83
  text "Hole Size" at 93.159,27.959 h1.83
  text "Drill Layer Pair" at 107.83,27.959 h1.83
  text "2" at 85.7,24.805 h1.52
  text "0,860mm (33,86mil)" at 93.159,24.805 h1.52
  text "Top Copper - Bottom Layer" at 107.83,24.805 h1.52
  text "4" at 85.7,21.651 h1.52
  text "0,600mm (23,62mil)" at 93.159,21.651 h1.52
  text "Top Copper - Bottom Layer" at 107.83,21.651 h1.52
  text "4" at 85.7,18.497 h1.52
  text "2,750mm (108,27mil)" at 93.159,18.497 h1.52
  text "Top Copper - Bottom Layer" at 107.83,18.497 h1.52
  text "4" at 85.7,15.342 h1.52
  text "3,000mm (118,11mil)" at 93.159,15.342 h1.52
  text "Top Copper - Bottom Layer" at 107.83,15.342 h1.52
  text "22" at 85.7,12.188 h1.52
  text "0,254mm (10,00mil)" at 93.159,12.188 h1.52
  text "Top Copper - Bottom Layer" at 107.83,12.188 h1.52
  text "24" at 85.7,9.034 h1.52
  text "0,500mm (19,69mil)" at 93.159,9.034 h1.52
  text "Top Copper - Bottom Layer" at 107.83,9.034 h1.52
  text "363" at 85.7,5.88 h1.52
  text "0,203mm (8,00mil)" at 93.159,5.88 h1.52
  text "Top Copper - Bottom Layer" at 107.83,5.88 h1.52
  text "423 Total" at 85.7,2.726 h1.52
  text "Slot definitions :" at 78.538,0.518 h1.52
  text "Routed Path Length" at 88.917,0.518 h1.52
  text "= Calculated from tool start centre position to tool end centre position." at 101.78,0.518 h1.52
  text "Hole Length" at 88.917,-0.743 h1.52
  text "= Routed Path Length + Tool Size = Slot length as defined in the PCB layout" at 97.005,-0.743 h1.52

## Dimensions
0,0 to 27.9,32.1 on Dimensions
0,0 to 27.9,7.9 on Dimensions
0,0 to 60,3 on Dimensions
0,0 to 57,3 on Dimensions
0,0 to 52.1,7.9 on Dimensions
0,0 to 27.9,7.9 on Dimensions
0,0 to 3,3 on Dimensions
0,0 to 3,40 on Dimensions
0,0 to 3,37 on Dimensions
0,0 to 3,3 on Dimensions

## Text inside footprints (layer, text, board x,y; h text height)
J2: Top Overlay "8" at 1.8,19.75 h1 r270; Top Overlay "1" at 1.8,32.5 h1 r270
J3: Top Overlay "8" at 8.8,19.75 h1 r270; Top Overlay "1" at 8.8,32.5 h1 r270
J6: Top Overlay "1" at 55.772,13 h1 r90; Top Overlay "26" at 55.772,26.989 h1 r90
J8: Top Overlay "20" at 34.728,35.713 h1 r180; Top Overlay "1" at 45.478,35.713 h1 r180
J9: Top Overlay "20" at 45.271,4.248 h1; Top Overlay "1" at 34.521,4.248 h1
J10: Top Overlay "1" at 32.044,37.647 h1 r180; Top Overlay "8" at 19.403,39.198 h1 r180
MISC1: Top Assembly "BW1099 Module" at 43.75,20.8 h2 r180
U61: Assembly Notes "Based on 0.125 thick stencil" at 11.995,9.2 h0.5 r270